# Altium PCB HIL_RIG_REV_1_2.PcbDoc (part 8 of 14)
Units mil, origin at the board's own origin, x right, y up, seen from the top; angles counter-clockwise.
Board outline 9845 x 7590 mil, 6 copper layers (Top Layer, Int1 (GND), Int2 (PWR), Int3 (Sign), Int4 (GND), Bottom Layer), stack 60.566 mil thick; 1465 components, 731 nets, 4058 pads, 3944 vias.
Unrouted connection lines stored in the file: 1754.
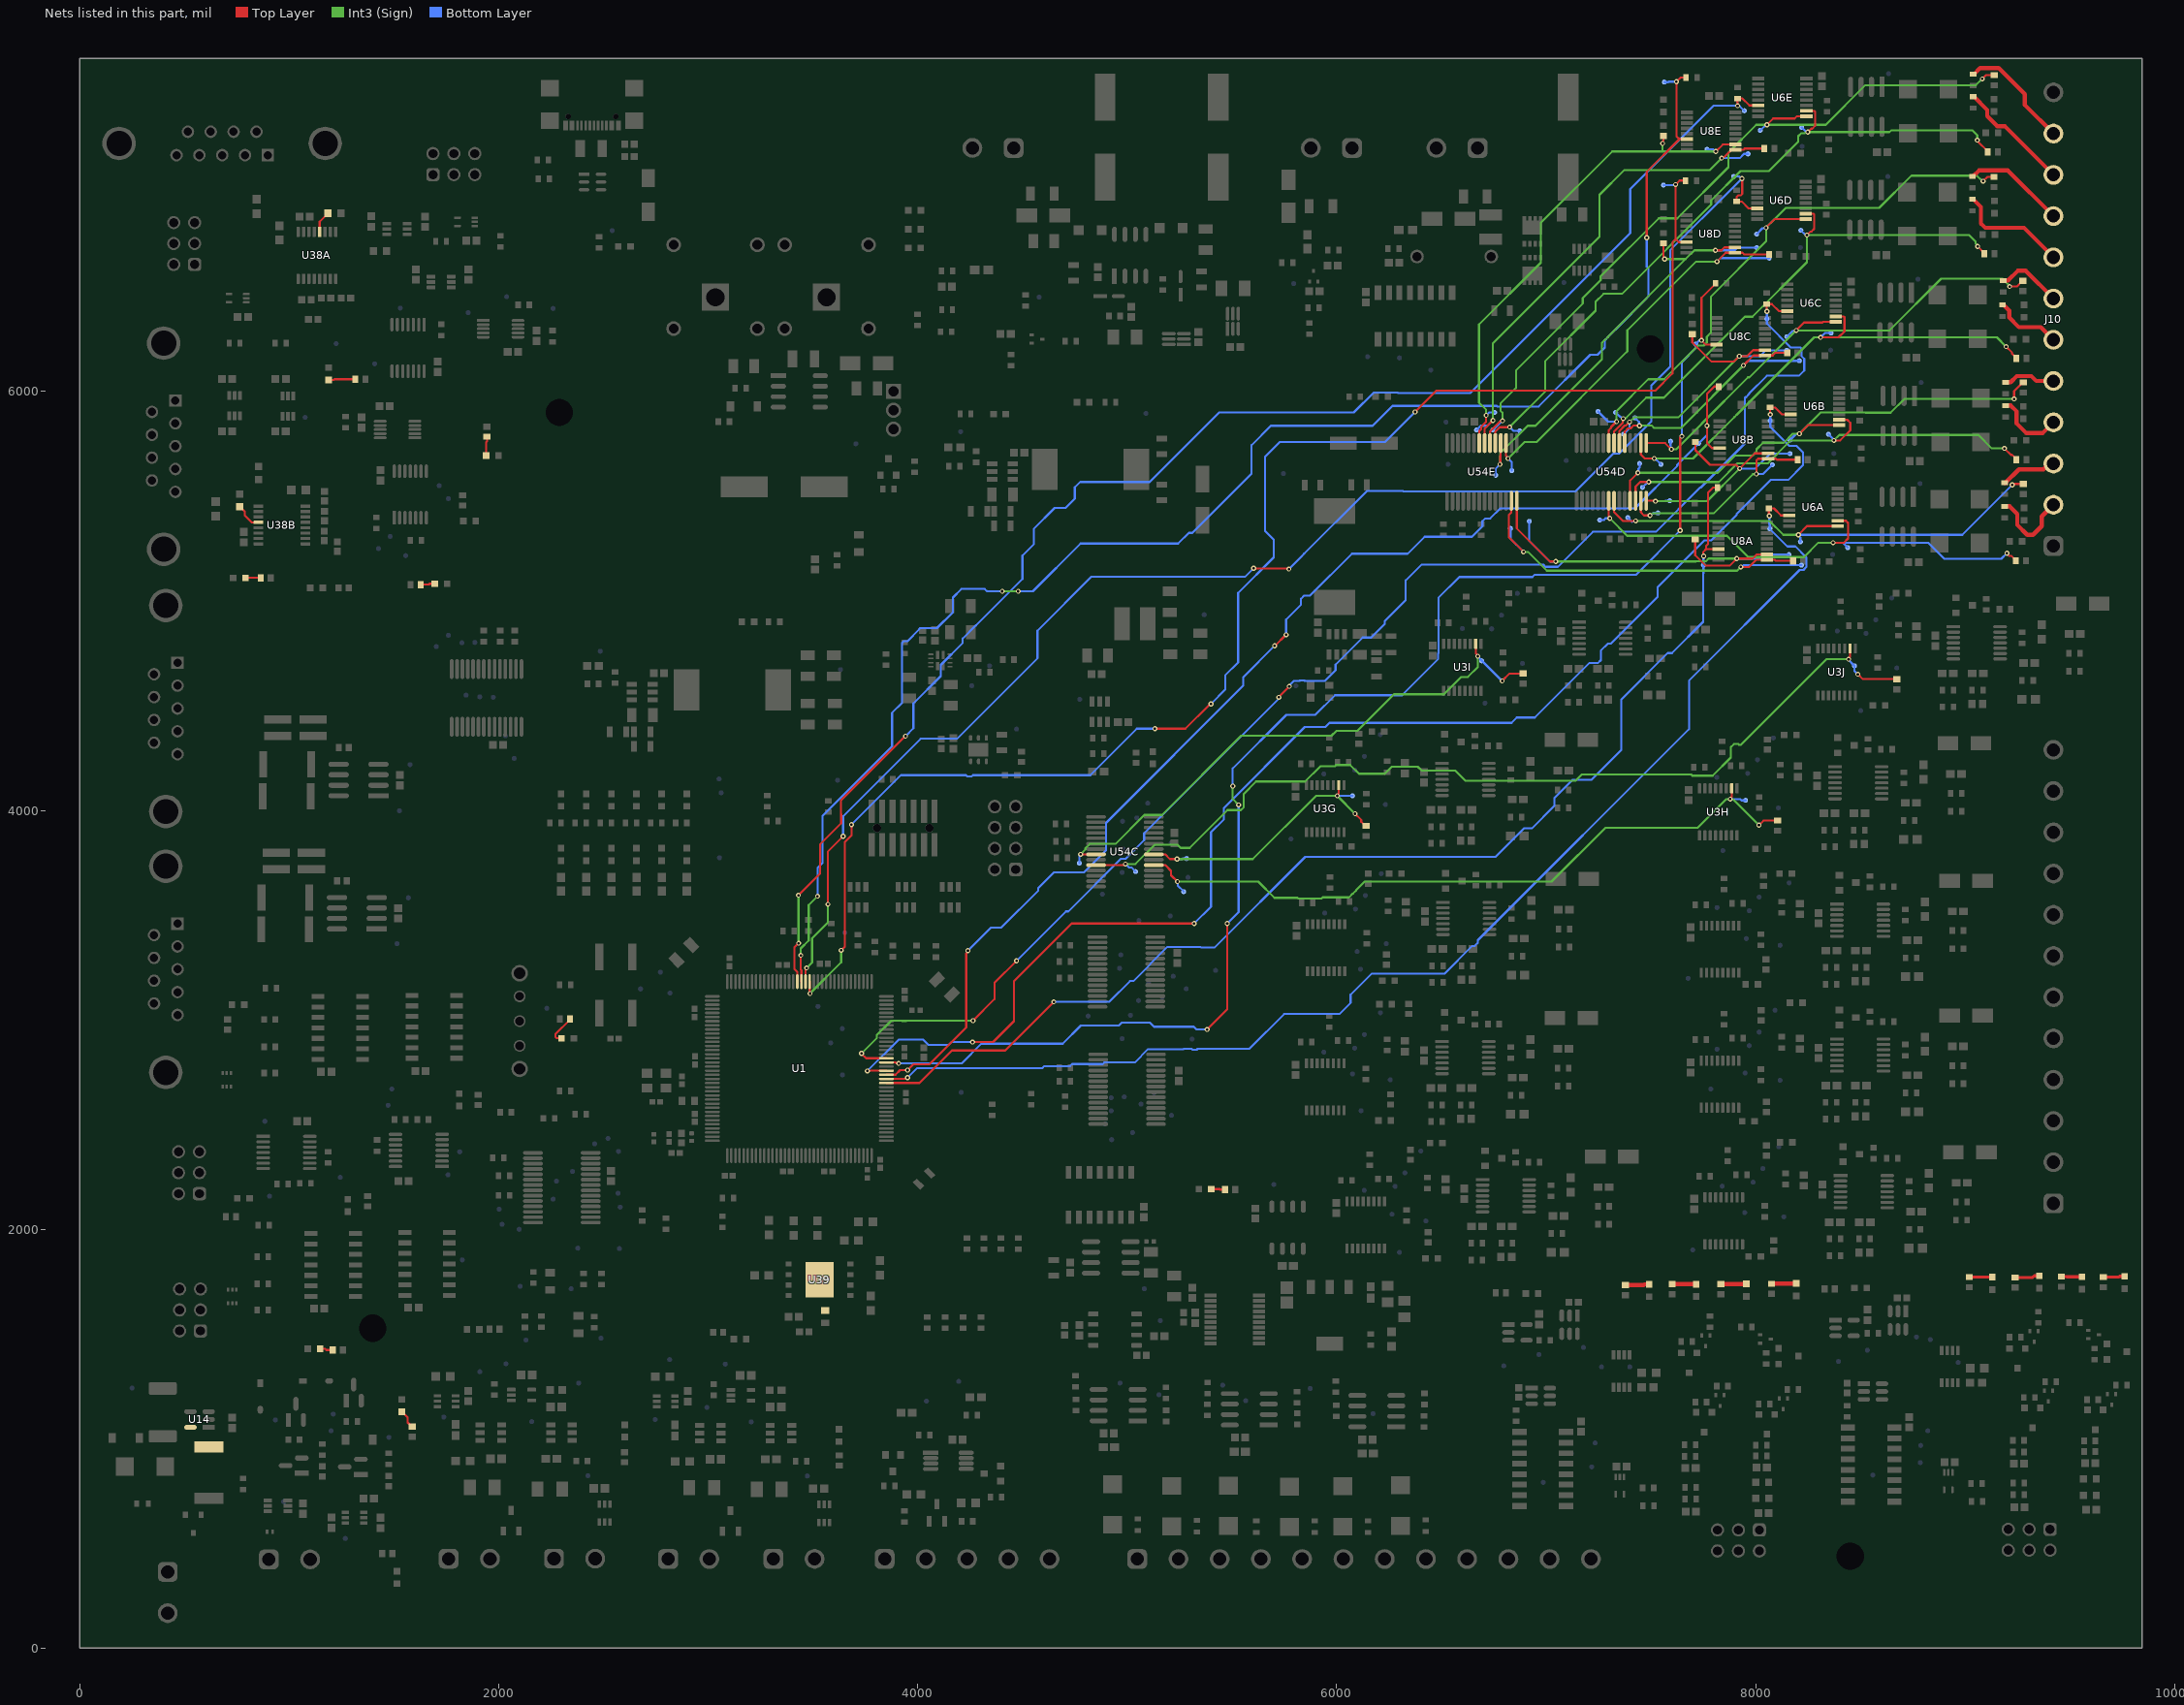
[diagram p12: the nets of this part, all layers, seen from the top]

## Via types
v1: diameter 24, hole 12, Top Layer to Bottom Layer, tented both sides, 3944 vias

## Nets (pads, with @x,y where several pads share a name; then routed paths per layer and width w, separated by ;. In a path a pad name is that pad's centre, name@x,y a point inside that pad or via, vN(x,y) a via of type N, cw(c..) or ccw(c..) an arc to the next point about the centre after c; other vN are vias at no path point) (continued)
DI_S1_7: R180N.1 TP6G.1 TP98C.1 U3G.10 U54C.7 | length 1386.3
  Top Layer w10: U54C.7@5127,3790.01 5182.24,3790.01 5204.26,3768 v1(5238,3768) ; v1(6002.89,4069.79) 6002.89,4073.58 6009.98,4080.67 U3G.10@6009.98,4121.02 ; v1(6088,3984) 6117.37,3954.63 6117.37,3946.13 6137.5,3926 R180N.1@6140,3926
  Int3 (Sign) w10: v1(5238,3768) 5600,3768 5901.79,4069.79 v1(6002.89,4069.79) 6002.89,4069.45 6088,3984.34 v1(6088,3984)
  Bottom Layer w10: v1(5238,3768) 5262.19,3768 5264.19,3770 TP98C.1@5284,3770 ; v1(6002.89,4069.79) 6003.1,4070 TP6G.1@6076,4070
DI_S1_8: R180P.1 TP6H.1 TP96C.1 U3H.10 U54C.5 | length 3504.7
  Top Layer w10: U54C.5@5127,3738.83 5182.24,3738.83 5209.78,3711.3 5209.78,3690.22 v1(5240,3660) ; v1(7878.89,4053.79) 7878.89,4057.58 7885.98,4064.67 U3H.10@7885.98,4105.02 ; v1(8016,3930) 8037.21,3951.21 R180P.1@8105.4,3951.21
  Int3 (Sign) w10: v1(5240,3660) 5626,3660 5703.25,3582.75 5813.37,3582.75 5817.32,3578.79 5927.44,3578.79 5933.64,3585 6059,3585 6077,3603 6078.36,3603 6093,3617.64 6093,3619 6134,3660 7026,3660 7283,3917 7723,3917 7859.79,4053.79 v1(7878.89,4053.79) 7881.57,4051.12 7894.88,4051.12 v1(8016,3930)
  Bottom Layer w10: v1(5240,3660) 5242,3658 5242,3640 TP96C.1@5270,3612 ; v1(7878.89,4053.79) 7926.39,4053.79 7932.19,4048 TP6H.1@7952,4048
DI_S1_9: R180R.1 TP6I.1 TP85C.1 U3I.10 U54C.22 | length 2782.7
  Top Layer w10: v1(4778,3790) U54C.22@4851.41,3790.01 ; U3I.10@6663.98,4795.02 6663.98,4749.81 6674,4739.79 v1(6674,4736) ; v1(6790,4618) 6825.25,4653.25 R180R.1@6889.56,4653.25
  Int3 (Sign) w10: v1(4778,3790) 4801.34,3813.34 4801.34,3819.34 4822,3840 4944,3840 5082,3978 5166,3978 5544.44,4356.44 5975.25,4356.44 5998.81,4380 6099.64,4380 6273.64,4554 6512,4554 6595,4637 6626.36,4637 6674,4684.64 v1(6674,4736)
  Bottom Layer w10: TP85C.1@4772,3748 4772,3780.21 4778,3786.21 v1(4778,3790) ; v1(6674,4736) 6674,4734 v1(6790,4618)
DI_S1_10: R180T.1 TP6J.1 TP87C.1 U3J.10 U54C.24 | length 4580.1
  Top Layer w10: U54C.24@4851.41,3738.83 4983.05,3738.83 4988.21,3744 v1(4992,3744) ; v1(8443.89,4721.79) 8443.89,4725.58 8450.98,4732.67 U3J.10@8450.98,4773.02 ; v1(8488,4650) 8511.52,4626.48 R180T.1@8674.39,4626.48
  Int3 (Sign) w10: v1(4992,3744) 5039.52,3744 5131.52,3836 5240.64,3836 5255.64,3821 5299,3821 5479,4001 5542.36,4001 5557,4015.64 5557,4079 5615.79,4137.79 5849.79,4137.79 5923,4211 5991.1,4211 5996.9,4216.79 6065,4216.79 6106.79,4175 6230.12,4175 6263.92,4208.79 6387.25,4208.79 6406.04,4190 6566.73,4190 6615.93,4140.79 7139.33,4140.79 7170.33,4171.79 7692.36,4171.79 7698.15,4166 7795.36,4166 7881.92,4252.56 7881.92,4301.82 7896.56,4316.46 7917.27,4316.46 7920.9,4312.83 7929.19,4312.83 8338.15,4721.79 v1(8443.89,4721.79)
  Bottom Layer w10: v1(4992,3744) 5008.19,3727.81 5020.19,3727.81 TP87C.1@5040,3708 ; v1(8443.89,4721.79) 8443.89,4718.11 TP6J.1@8472,4690 8472,4666 v1(8488,4650)
DO_A0_1: R180U.1 TP17A.1 TP85D.1 U6A.9 U54D.22 | length 2444.7
  Top Layer w10: U54D.22@7324.46,5478 7324.46,5423.54 7366,5382 v1(7428,5382) ; v1(8204.14,5315.88) 8204.14,5316.16 8245.07,5357.08 U6A.9@8392.88,5357.08 ; v1(9225.1,5553.52) 9228.88,5553.52 9234.19,5558.82 R180U.1@9277.76,5558.82
  Int3 (Sign) w10: v1(7428,5382) 7429,5381 8067,5381 8132.12,5315.88 v1(8204.14,5315.88)
  Bottom Layer w10: TP85D.1@7390,5398 7409.81,5378.19 7410.94,5379.32 7425.32,5379.32 v1(7428,5382) ; TP17A.1@8214,5282 8214,5302.24 8204.14,5312.09 v1(8204.14,5315.88) 8986.5,5315.88 9224.13,5553.52 v1(9225.1,5553.52)
DO_A0_2: R180Y.1 TP17B.1 TP88D.1 U6B.9 U54D.25 | length 2508.2
  Top Layer w10: U54D.25@7401.23,5478 7401.23,5575.23 v1(7438,5612) ; v1(8209.33,5798.07) 8209.33,5798.35 8250.26,5839.27 U6B.9@8398.07,5839.27 ; v1(9234,5964) 9234,6001.54 9275.49,6043.03 R180Y.1@9277.99,6043.03
  Int3 (Sign) w10: v1(7438,5612) 7820,5612 7902,5694 7985.53,5694 8004.17,5712.64 8004.17,5724.17 8035.07,5755.07 8134.44,5755.07 8177.44,5798.07 v1(8209.33,5798.07) 8311.26,5900 8523.73,5900 8524.98,5898.75 8644.75,5898.75 8710,5964 v1(9234,5964)
  Bottom Layer w10: v1(7438,5612) 7440.68,5614.68 7440.68,5630.87 7446,5636.19 TP88D.1@7446,5656 ; TP17B.1@8164.33,5768.07 8191.65,5795.39 8206.65,5795.39 v1(8209.33,5798.07)
DO_A0_3: R180AC.1 TP17C.1 TP92D.1 U6C.9 U54D.1 | length 2479.3
  Top Layer w10: U54D.1@7478,5753.59 7568.41,5753.59 v1(7598,5724) ; v1(8194.16,6291.43) 8194.16,6291.7 8231.45,6329 8318.36,6329 8321.98,6332.63 U6C.9@8382.9,6332.63 ; v1(9212.76,6500.83) 9246.48,6500.83 9273.78,6528.14 R180AC.1@9276.29,6528.14
  Int3 (Sign) w10: v1(7598,5724) 7621.36,5724 7743,5845.64 7743,5846.36 7964.2,6067.55 7970.28,6067.55 v1(8194.16,6291.43) 8639.51,6291.43 8886.08,6538 9178,6538 9212.76,6503.24 v1(9212.76,6500.83)
  Bottom Layer w10: TP92D.1@7594,5762 7594,5742.19 7595.32,5740.87 7595.32,5726.68 v1(7598,5724) ; TP17C.1@8149.16,6261.43 8176.48,6288.75 8191.48,6288.75 v1(8194.16,6291.43)
DO_A0_4: R180AG.1 TP17D.1 TP99D.1 U6D.9 U54D.8 | length 2980.9
  Top Layer w10: U54D.8@7298.87,5753.59 7298.87,5814.46 7306.14,5821.74 7306.14,5822.14 7310,5826 7310,5830 v1(7336,5856) ; v1(8050.16,6781.43) 8050.16,6781.7 8091.08,6822.63 U6D.9@8238.9,6822.63 ; v1(9086,7004) 9106.46,7024.46 R180AG.1@9138,7024.46
  Int3 (Sign) w10: v1(7336,5856) 7336,5906 7488,6058 7564,6058 7725,6219 7752.36,6219 7767,6233.64 7767,6261 7786.1,6280.1 7786.1,6452.1 8050.16,6716.16 v1(8050.16,6781.43) 8144.73,6876 8590.08,6876 8744.08,7030 9056.63,7030 9082.63,7004 v1(9086,7004)
  Bottom Layer w10: TP99D.1@7248,5904 7296,5856 v1(7336,5856) ; TP17D.1@8005.16,6751.43 8032.48,6778.75 8047.48,6778.75 v1(8050.16,6781.43)
DO_A0_5: R180AK.1 TP17E.1 TP97E.1 U6E.9 U54E.6 | length 3659.8
  Top Layer w10: U54E.6@6732.05,5753.59 6732.05,5808.84 6780.53,5857.32 6789.32,5857.32 v1(6792,5860) ; v1(8054.05,7272.88) 8054.05,7273.16 8083.89,7303 8186.36,7303 8197.44,7314.08 U6E.9@8242.79,7314.08 ; v1(9082,7492) 9100,7510 R180AK.1@9140,7510
  Int3 (Sign) w10: v1(6792,5860) 6792,5897.89 6782,5907.89 6782,5942 6856,6016 6856,6100.64 7175,6419.64 7175,6446.04 7260.53,6531.58 7260.53,6549.89 7537.41,6826.77 7626.12,6826.77 7870,7070.64 7870,7140 8002.88,7272.88 v1(8054.05,7272.88) 8335.42,7272.88 8524.54,7462 9052,7462 v1(9082,7492)
  Bottom Layer w10: TP97E.1@6746,5816 6790,5860 v1(6792,5860) ; TP17E.1@8022,7246 8041.81,7265.81 8043.19,7265.81 8050.26,7272.88 v1(8054.05,7272.88)
DO_A0_6: R180W.1 TP20A.1 TP90E.1 U8A.9 U54E.27 | length 2056.1
  Top Layer w10: U54E.27@6834.41,5478 6834.41,5422.76 6822,5410.35 6822,5304 v1(6892,5234) ; v1(7930,5162) 7968.91,5162 8003.16,5196.24 U8A.9@8054.65,5196.24 8091.69,5196.24 8096.56,5191.37 R180W.1@8178.52,5191.37
  Int3 (Sign) w10: v1(6892,5234) 6914,5234 7004,5144 7912,5144 v1(7930,5162)
  Bottom Layer w10: TP90E.1@6830,5346 6830,5296 v1(6892,5234) ; v1(7930,5162) 7933.79,5162 7942.67,5170.88 TP20A.1@8219.14,5170.88
DO_A0_7: R180AA.1 TP20B.1 TP90D.1 U8B.9 U54D.27 | length 1098.1
  Top Layer w10: U54D.27@7452.41,5478 7452.41,5422.76 7467.17,5408 v1(7496,5408) ; v1(8004,5606) 8004,5670.42 8012.01,5678.43 U8B.9@8059.84,5678.43 8096.88,5678.43 8100.91,5674.4 R180AA.1@8200.52,5674.4
  Int3 (Sign) w10: v1(7496,5408) 7497.64,5408 7508.86,5419.22 7801.35,5419.22 7986.98,5604.84 8002.84,5604.84 v1(8004,5606)
  Bottom Layer w10: v1(7496,5408) 7499.79,5408 7511.79,5420 TP90D.1@7534,5420 ; v1(8004,5606) 8036,5606 TP20B.1@8080,5650
DO_A0_8: R180AE.1 TP20C.1 TP96D.1 U8C.9 U54D.5 | length 1321.7
  Top Layer w10: U54D.5@7375.64,5753.59 7375.64,5809.01 7390.09,5823.46 7402.81,5823.46 7417.26,5837.91 7444.09,5837.91 v1(7446,5836) ; v1(7942,6124) 7989.79,6171.79 U8C.9@8044.67,6171.79 8081.7,6171.79 8093.91,6184 R180AE.1@8151.54,6184
  Int3 (Sign) w10: v1(7446,5836) 7448,5838 7503.45,5838 7515.45,5826 7644,5826 v1(7942,6124)
  Bottom Layer w10: TP96D.1@7424,5874 7443.32,5854.68 7443.32,5838.68 v1(7446,5836) ; v1(7942,6124) 7964.43,6146.43 TP20C.1@8209.16,6146.43
DO_A0_9: R180AI.1 TP20D.1 TP94E.1 U8D.9 U54E.3 | length 2113.3
  Top Layer w10: U54E.3@6808.82,5753.59 6808.82,5692.97 6818,5683.79 v1(6818,5680) ; v1(7816,6620) 7857.79,6661.79 U8D.9@7900.67,6661.79 7937.7,6661.79 7945.5,6654 R180AI.1@8064,6654
  Int3 (Sign) w10: v1(6818,5680) 6896,5758 6954,5758 7383.13,6187.13 7388,6192 7388,6292 7716,6620 v1(7816,6620)
  Bottom Layer w10: v1(6818,5680) 6836,5662 TP94E.1@6836,5622 ; v1(7816,6620) 7832.43,6636.43 TP20D.1@8065.16,6636.43
DO_A0_10: R180AM.1 TP20E.1 TP98E.1 U8E.9 U54E.7 | length 2521.9
  Top Layer w10: U54E.7@6706.46,5753.59 6706.46,5822.46 6712.95,5828.95 v1(6746,5862) ; v1(7838,7114) 7840.68,7116.68 7847.82,7116.68 7884.38,7153.24 U8E.9@7904.56,7153.24 7941.59,7153.24 7947.99,7159.64 R180AM.1@8041.58,7159.64
  Int3 (Sign) w10: v1(6746,5862) 6746,6230 7255,6739 7255,6939 7372,7056 7780,7056 v1(7838,7114)
  Bottom Layer w10: TP98E.1@6668,5816 6687.81,5835.81 6719.81,5835.81 v1(6746,5862) ; v1(7838,7114) 7924.19,7114 7944.19,7134 TP20E.1@7964,7134
DO_A1_1: R180V.1 TP16A.1 TP84D.1 U6A.10 U54D.21 | length 2484.2
  Top Layer w10: U54D.21@7298.87,5478 7298.87,5402.92 7304,5397.79 v1(7304,5394) ; v1(8370,5278) 8422,5278 8442,5298 8442,5372 8431.33,5382.67 U6A.10@8392.88,5382.67 ; v1@9198,5228 9211.57,5214.43 9222.1,5214.43 9242.23,5194.3 R180V.1@9242.23,5191.8
  Int3 (Sign) w10: v1(7304,5394) 7387,5311 7862.98,5311 7964.98,5209 8231,5209 8300,5278 v1(8370,5278)
  Bottom Layer w10: TP84D.1@7256,5386 7275.81,5386 7283.81,5394 v1(7304,5394) ; v1(8370,5278) 8416,5278 ; TP16A.1@8440,5254 8416,5278 ; v1(9200,5228) 9172.96,5200.96 8900.42,5200.96 8823.38,5278 8416,5278
DO_A1_2: R180Z.1 TP16B.1 TP89D.1 U6B.10 U54D.26 | length 2312.9
  Top Layer w10: U54D.26@7426.82,5478 7426.82,5545.39 7449.43,5568 v1(7490,5568) ; v1(8374,5766) 8404,5766 8452,5814 8452,5850 8437.14,5864.86 U6B.10@8398.07,5864.86 ; v1(9188,5728) 9218.79,5697.21 9224.46,5697.21 9244.59,5677.08 R180Z.1@9244.59,5674.58
  Int3 (Sign) w10: v1(7490,5568) 7824.64,5568 7913.64,5657 8059,5657 8168,5766 v1(8374,5766) 8400,5792 9064,5792 9128,5728 v1(9188,5728)
  Bottom Layer w10: TP89D.1@7460,5542 7479.81,5561.81 7480.02,5561.81 7486.21,5568 v1(7490,5568) ; TP16B.1@8348,5796 8367.81,5776.19 8367.81,5775.98 8374,5769.79 v1(8374,5766)
DO_A1_3: R180AD.1 TP16C.1 TP93D.1 U6C.10 U54D.2 | length 2480.1
  Top Layer w10: U54D.2@7452.41,5753.59 7452.41,5698.35 7470.76,5680 v1(7516,5680) ; v1(8310,6258) 8395.73,6258 8424,6286.27 8424,6354.15 8419.93,6358.22 U6C.10@8382.9,6358.22 ; v1(9196,6214) 9224.46,6185.54 9224.46,6179.75 9244.59,6159.62 R180AD.1@9244.59,6157.12
  Int3 (Sign) w10: v1(7516,5680) 7701.36,5680 7899.43,5878.07 7899.69,5878.07 7914.33,5892.72 7914.33,5892.98 8279.36,6258 v1(8310,6258) 9152,6258 v1(9196,6214)
  Bottom Layer w10: v1(7516,5680) 7519.79,5680 7527.98,5671.81 7528.19,5671.81 TP93D.1@7548,5652 ; v1(8310,6258) 8331.11,6279.11 TP16C.1@8360.16,6279.11
DO_A1_4: R180AH.1 TP16D.1 TP98D.1 U6D.10 U54D.7 | length 2587.9
  Top Layer w10: U54D.7@7324.46,5753.59 7324.46,5808.99 7365.47,5850 7365.47,5867.47 v1(7368,5870) ; U6D.10@8238.9,6848.22 8275.93,6848.22 8280,6844.15 8280,6776.27 8266.98,6763.25 8261.98,6763.25 v1(8245.16,6746.43) ; v1(9060,6692) 9060,6691.5 9091.56,6659.94 R180AH.1@9091.56,6657.44
  Int3 (Sign) w10: v1(7368,5870) 7370.68,5872.68 7380.68,5872.68 7478,5970 7562.29,5970 7948.64,6356.36 7984.36,6356.36 8245.16,6617.16 v1(8245.16,6746.43) 9018.93,6746.43 9050.28,6715.08 9050.28,6705.51 9060,6695.79 v1(9060,6692)
  Bottom Layer w10: TP98D.1@7332,5900 7351.81,5880.19 7354.02,5880.19 7364.21,5870 v1(7368,5870) ; TP16D.1@8216.16,6769.11 8236.16,6749.11 8242.48,6749.11 v1(8245.16,6746.43)
DO_A1_5: R180AL.1 TP16E.1 TP96E.1 U6E.10 U54E.5 | length 3446.2
  Top Layer w10: U54E.5@6757.64,5753.59 6757.64,5808.84 6777.8,5829 6825,5829 v1(6826,5830) ; U6E.10@8242.79,7339.67 8279.82,7339.67 8283.89,7335.61 8283.89,7267.72 8270.87,7254.7 8265.87,7254.7 v1(8249.05,7237.88) ; v1@9062,7196 9062,7191.93 9108.45,7145.48 R180AL.1@9108.45,7142.98
  Int3 (Sign) w10: v1(6826,5830) 6826,5830.64 6996,6000.64 6996,6145.64 7236,6385.64 7236,6428 7274,6466 7362,6466 7788,6892 7788,6912 7928,7052 8063.16,7052 8203,7191.84 8203,7218.36 8217.64,7233 8236.19,7233 8238.39,7235.2 8246.37,7235.2 v1(8249.05,7237.88) 8639.04,7237.88 8648.15,7247 9034.36,7247 9058.4,7222.96 v1(9058.4,7199.74)
  Bottom Layer w10: v1(6826,5830) 6844,5812 TP96E.1@6874,5812 ; TP16E.1@8220.05,7260.56 8240.05,7240.56 8246.37,7240.56 v1(8249.05,7237.88)
DO_A1_6: R180X.1 TP19A.1 TP91E.1 U8A.10 U54E.28 | length 2231.6
  Top Layer w10: U54E.28@6860,5478 6860,5346 7018,5188 v1(7046,5188) ; R180X.1@7712,5293.54 7712,5218.64 7762.64,5168 7876,5168 v1(7910,5202) 7986.29,5202 8006.12,5221.83 U8A.10@8054.65,5221.83
  Int3 (Sign) w10: v1(7046,5188) 7714.14,5188 7715.14,5189 7762.36,5189 7775.36,5202 v1(7910,5202)
  Bottom Layer w10: TP91E.1@6920,5380 6920,5286 7018,5188 v1(7046,5188) ; v1(7910,5202) 8049.18,5202 8068.06,5220.88 TP19A.1@8159.14,5220.88
DO_A1_7: R180AB.1 TP19B.1 TP91D.1 U8B.10 U54D.28 | length 1302.5
  Top Layer w10: U54D.28@7478,5478 7520,5478 v1(7522,5476) ; R180AB.1@7712.47,5758.52 7712.47,5719.53 7782.15,5649.85 7906.15,5649.85 v1(7924,5632) 7996.02,5704.02 U8B.10@8059.84,5704.02
  Int3 (Sign) w10: v1(7522,5476) 7768,5476 v1(7924,5632)
  Bottom Layer w10: v1(7522,5476) 7568.19,5476 7570.19,5478 TP91D.1@7590,5478 ; v1(7924,5632) 7998.68,5632 8069.75,5703.07 TP19B.1@8164.33,5703.07
DO_A1_8: R180AF.1 TP19C.1 TP97D.1 U8C.10 U54D.6 | length 1534.2
  Top Layer w10: U54D.6@7350.05,5753.59 7350.05,5811.95 7375.28,5837.18 7381.18,5837.18 v1(7398,5854) ; R180AF.1@7698,6274 7698,6233.67 7789.67,6142 7896,6142 v1(7922,6168) 7958.52,6168 7987.9,6197.38 U8C.10@8044.67,6197.38
  Int3 (Sign) w10: v1(7398,5854) 7420,5876 7630,5876 v1(7922,6168)
  Bottom Layer w10: TP97D.1@7370,5796 7398,5824 v1(7398,5854) ; v1(7922,6168) 8021.42,6168 8049.84,6196.43 TP19C.1@8149.16,6196.43
DO_A1_9: R180AJ.1 TP19D.1 TP95E.1 U8D.10 U54E.4 | length 2170.7
  Top Layer w10: v1(6780,5652) 6781.75,5653.75 6781.75,5692.52 6783.23,5694 U54E.4@6783.23,5753.59 ; R180AJ.1@7559.99,6707.42 7559.99,6641.8 7566,6635.79 v1(7566,6632) ; v1(7808,6674) 7837.52,6674 7850.9,6687.38 U8D.10@7900.67,6687.38
  Int3 (Sign) w10: v1(6780,5652) 6780,5704 6912,5836 6949.36,5836 7266,6152.64 7266,6232 7279,6245 7280.36,6245 7295,6259.64 7295,6261 7666,6632 ; v1(7566,6632) 7666,6632 ; v1(7808,6674) 7708,6674 7666,6632
  Bottom Layer w10: TP95E.1@6760,5600 6760,5632 v1(6780,5652) ; v1(7808,6674) 7900.42,6674 7912.84,6686.43 TP19D.1@8005.16,6686.43
DO_A1_10: R180AN.1 TP19E.1 TP99E.1 U8E.10 U54E.8 | length 2454.5
  Top Layer w10: U54E.8@6680.87,5753.59 6680.87,5811.3 6690,5820.44 6690,5832 6714,5856 v1(6714,5886) ; v1(7556,7184) 7556,7193.53 7560,7197.53 R180AN.1@7560,7220 ; v1(7810,7146) 7842.83,7178.83 U8E.10@7904.56,7178.83
  Int3 (Sign) w10: v1(6714,5886) 6714,5912 6680,5946 6680,6320 6975,6615 6975,6805.36 7315.64,7146 7554,7146 ; v1(7556,7184) 7556,7148 7554,7146 ; v1(7810,7146) 7554,7146
  Bottom Layer w10: v1(6714,5886) 6714.28,5886 6728.28,5900 TP99E.1@6754,5900 ; TP19E.1@7768,7156 7796.21,7156 7806.21,7146 v1(7810,7146)
DO_A_DUT1: F3A.2 J10.3 | length 271.4
  Top Layer w20: F3A.2@9188.87,5563.65 9192.8,5563.65 9257.15,5628 9373.8,5628 9401.84,5656.05 J10.3@9422,5656.05
DO_A_DUT2: F3B.2 J10.5 | length 250
  Top Layer w20: F3B.2@9194.06,6044.09 9217.8,6044.09 9247.21,6073.5 9316.24,6073.5 9339.99,6049.75 J10.5@9422,6049.75
DO_A_DUT3: F3C.2 J10.7 | length 314
  Top Layer w20: F3C.2@9182,6530 9205.75,6530 9251.75,6576 9289.45,6576 J10.7@9422,6443.45
DO_A_DUT4: F3D.2 J10.9 | length 488.7
  Top Layer w20: F3D.2@9034.88,7027.37 9038.82,7027.37 9066.37,7054.93 9204.22,7054.93 J10.9@9422,6837.15
DO_A_DUT5: F3E.2 J10.11 | length 555.1
  Top Layer w20: F3E.2@9038.77,7515.39 9042.71,7515.39 9071.71,7544.39 9159.67,7544.39 9285.67,7418.4 9285.67,7367.18 J10.11@9422,7230.85
DO_A_MCU_EN_N1: R32A.1 TP18A.1 U1.88 U6A.6 | length 6061.2
  Top Layer w10: U1.88@3850.71,2718.09 3946.31,2718.09 v1(3952.21,2724) ; v1(8066,5406) 8063.32,5408.68 8063.32,5420.46 R32A.1@8063.32,5441.44 8087.3,5441.44 8120.48,5408.26 U6A.6@8161.54,5408.26
  Bottom Layer w10: v1(3952.21,2724) 3998.21,2770 4596.04,2770 4605.04,2779 4727.73,2779 4737.73,2789 4883.36,2789 4890.98,2796.62 5036.62,2796.62 5100,2860 5268.73,2860 5270.35,2861.62 5307.02,2861.62 5311.64,2857 5332.36,2857 5336.98,2861.62 5583.62,2861.62 5750,3028 6014,3028 6067,3081 6067,3120.19 6166.81,3220 6514,3220 6647,3353 6659.36,3353 6674,3367.64 6674,3380 7682,4388 7682,4619.55 8210.53,5148.07 8228.59,5148.07 8241.95,5161.43 8241.95,5208.05 8190,5260 8152,5260 TP18A.1@8068,5344 8068,5363.81 8066,5365.81 v1(8066,5406)
DO_A_MCU_EN_N2: R32B.1 TP18B.1 U1.90 U6B.6 | length 6660.3
  Top Layer w10: v1(3760,2756) 3761.46,2757.46 U1.90@3850.71,2757.46 ; v1(4262,2894) 4360,2894 4460,2994 4460,3185.15 4734.85,3460 v1(5320,3460) ; v1(8070,5890) 8068.5,5891.5 R32B.1@8068.5,5923.63 8092.49,5923.63 8125.67,5890.45 U6B.6@8166.73,5890.45
  Bottom Layer w10: v1(3760,2756) 3910,2906 4026,2906 4052,2880 4148.11,2880 4162.11,2894 v1(4262,2894) ; v1(5320,3460) 5400,3540 5400,3896 5462,3958 5462,4012 5848,4398 5946.1,4398 5965.9,4417.79 6834.44,4417.79 6859.64,4443 6945.49,4443 7205.49,4703 7247.36,4703 7262,4717.64 7262,4739.5 7261,4740.5 7261,4762.36 7294.54,4795.9 7308.35,4795.9 7532,5019.54 7532,5065.35 7755.64,5289 7787.62,5289 7909.14,5410.53 7909.14,5415.14 8071.67,5577.67 8156.33,5577.67 8226,5647.34 8226,5710 8196,5740 8160.14,5740 8070,5830.14 v1(8070,5890)
DO_A_MCU_EN_N3: R32C.1 TP18C.1 U1.93 U6C.6 | length 6816.4
  Top Layer w10: v1(3732,2840) 3732,2838.29 3753.77,2816.52 U1.93@3850.71,2816.52 ; v1(4264,2996) 4366.66,3098.66 4366.66,3176.66 v1(4472,3282) ; v1(5724,4540) 5724,4541.24 5773.78,4591.02 v1(5773.78,4592.27) ; v1(8054,6382) 8053.33,6382.67 R32C.1@8053.33,6416.98 8077.32,6416.98 8110.49,6383.81 U6C.6@8151.56,6383.81
  Int3 (Sign) w10: v1(3732,2840) 3804.34,2912.34 3804.34,2926.34 3874,2996 3924.64,2996 3925.64,2995 3946.36,2995 3947.36,2996 v1(4264,2996)
  Bottom Layer w10: v1(4472,3282) 4708.16,3518.16 4719.52,3518.16 4970.36,3769 4992.36,3769 5081,3857.64 5081,3890.64 5721.32,4530.97 5721.32,4537.32 v1(5724,4540) v1@5724,4533.64 ; v1(5773.78,4592.27) 5773.78,4595.57 5796.02,4617.81 5822.93,4617.81 5825.12,4620 5845.83,4620 5848.02,4617.81 5943.81,4617.81 5995,4669 5995,4695.36 6124.64,4825 6165.36,4825 6230,4889.64 6230,4904 6330,5004 6330,5098 6406,5174 6986.36,5174 6997.36,5163 7056.36,5163 7223.36,5330 7524.64,5330 7735.55,5540.91 7738.26,5540.91 7949.17,5751.82 7949.17,5970.17 7952,5973 7954.36,5973 7969,5987.64 7969,5990 8054,6075 8207,6075 8231.97,6099.97 8231.97,6155.88 8219,6168.85 8219,6205 8214,6210 8167.85,6210 8054,6323.85 TP18C.1@8054,6346 v1(8054,6382)
DO_A_MCU_EN_N4: R32D.1 TP18D.1 U1.125 U6D.6 | length 7209.5
  Top Layer w10: U1.125@3464.88,3182.66 3464.88,3239.09 3470,3244.21 v1(3470,3248) ; v1(3572,3552) 3572,3804 v1(3644,3876) ; v1(5604,5156) 5606,5154 5770,5154 v1(5772,5152) ; v1(7935.16,7016.43) 7936.32,7015.27 7936.32,6942.74 7929.87,6936.3 7917.68,6936.3 7909.33,6927.95 R32D.1@7909.33,6906.98 7933.32,6906.98 7966.49,6873.81 U6D.6@8007.56,6873.81
  Int3 (Sign) w10: v1(3470,3248) 3496,3274 3496,3389.56 3572,3465.56 v1(3572,3552)
  Bottom Layer w10: v1(3644,3876) 3644,3972 4014,4342 4188,4342 4572,4726 4572,4858 4830,5116 5564,5116 v1(5604,5156) ; v1(5772,5152) 5830,5210 5830,5210.36 5844.64,5225 5845,5225 6145,5525 6315.36,5525 6318.36,5522 7139.35,5522 7320.48,5703.12 7348.48,5703.12 7502.53,5857.17 7502.53,6028 7592,6117.47 7592,6674.01 7889.09,6971.11 7889.84,6971.11 v1(7935.16,7016.43) 7931.37,7016.43 7921.37,7026.43 TP18D.1@7895.16,7026.43
DO_A_MCU_EN_N5: R32E.1 TP18E.1 U1.127 U6E.6 | length 7186.5
  Top Layer w10: U1.127@3425.51,3182.66 3425.51,3228.49 3412,3242 3412,3346 v1(3432,3366) ; v1(3430.47,3594.64) 3535,3699.17 3535,3839 3635,3939 3635,3982.36 3634,3983.36 3634,4048 3940,4354 v1(3942,4354) ; v1(7914,7364) 7914,7376.69 7913.22,7377.47 R32E.1@7913.22,7398.44 7937.21,7398.44 7970.38,7365.26 U6E.6@8011.45,7365.26
  Int3 (Sign) w10: v1(3430.47,3594.64) 3431.24,3593.88 3431.24,3366.76 v1(3432,3366)
  Bottom Layer w10: v1(3942,4354) 3980,4392 3980,4510.36 4110.35,4640.71 4110.35,4694.35 4215,4799 4215,4821 4277,4883 4278.36,4883 4500,5104.64 4500,5216 4554,5270 4554,5344 4654,5444 4706,5444 4750,5488 4750,5542 4776,5568 5108,5568 5440,5900 6082,5900 6177,5995 6290.36,5995 6293.36,5992 6638,5992 7402,6756 7402,6966 7800,7364 v1(7914,7364) 7916.68,7361.32 7924.68,7361.32 TP18E.1@7946,7340
DO_B_DUT1: F5A.2 J10.2 | length 405.9
  Top Layer w20: F5A.2@9188.87,5451.7 9212.61,5451.7 9249.19,5415.13 9249.19,5362.97 9296.16,5316 9324.43,5316 9366.09,5357.66 9366.09,5403.28 J10.2@9422,5459.2
DO_B_DUT2: F5B.2 J10.4 | length 336.6
  Top Layer w20: F5B.2@9194.06,5932.67 9217.8,5932.67 9246.28,5904.2 9246.28,5847.17 9291.45,5802 9371.1,5802 J10.4@9422,5852.9
DO_B_DUT3: F5C.2 J10.6 | length 330.9
  Top Layer w20: F5C.2@9178.88,6413.1 9182.82,6413.1 9210.63,6385.29 9210.63,6353.09 9256.75,6306.97 9361.63,6306.97 J10.6@9422,6246.6
DO_B_DUT4: F5D.2 J10.8 | length 548.1
  Top Layer w20: F5D.2@9034.88,6917.56 9038.82,6917.56 9076,6880.38 9076,6801.57 9096.54,6781.04 9281.26,6781.04 J10.8@9422,6640.3
DO_B_DUT5: F5E.2 J10.10 | length 555.2
  Top Layer w20: F5E.2@9038.77,7407.1 9042.71,7407.1 9105.93,7343.88 9105.93,7314.15 9153.5,7266.58 9189.42,7266.58 J10.10@9422,7034
DO_B_MCU_EN_N1: R35A.1 TP110A.1 U1.87 U8A.6 | length 5721.3
  Top Layer w10: U1.87@3850.71,2698.41 4008.41,2698.41 4164,2854 4418,2854 v1(4650,3086) ; v1(7752,5214) 7750.29,5215.71 7750.29,5234 7763.71,5247.43 ; R35A.1@7818.66,5541.01 7797.69,5541.01 7772.42,5515.73 7772.42,5270.47 7763.71,5261.76 7763.71,5247.43 ; U8A.6@7823.32,5247.43 7763.71,5247.43
  Bottom Layer w10: v1(4650,3086) 4914,3086 5013.19,3185.19 5029.45,3185.19 5192.65,3348.39 5194.25,3348.39 5195.64,3347 5216.36,3347 5217.75,3348.39 5349.98,3348.39 5353.37,3345 5417,3345 5850,3778 6758,3778 6894,3914 6932,3914 7039.62,4021.62 7039.62,4059.62 7126,4146 7216,4146 7359.49,4289.49 7359.49,4530.29 7580.2,4751 7601,4751 7750,4900 7750,5132 7751,5133 TP110A.1@7751,5171 7751,5213 v1(7752,5214)
DO_B_MCU_EN_N2: R35B.1 TP110B.1 U1.89 U8B.6 | length 5996.4
  Top Layer w10: U1.89@3850.71,2737.78 3894.14,2737.78 3916.36,2760 v1(3952,2760) 3980,2788 4056,2788 4232,2964 4232,3318.21 4240,3326.21 v1(4240,3330) ; v1(5704,4786) 5705.5,4786 5757.5,4838 v1(5759,4838) ; R35B.1@7823.85,6023.2 7802.88,6023.2 7768,5988.31 7768,5753.08 7791.47,5729.61 U8B.6@7828.5,5729.61
  Bottom Layer w10: v1(4240,3330) 4350,3440 4398,3440 4576,3618 4576,3630 4650,3704 4794,3704 4899,3809 4899,3940.36 5554,4595.36 5554,4636 v1(5704,4786) ; v1(5759,4838) 5759,4911 5830,4982 5830,5010.36 5844.64,5025 5873,5025 6073,5225 6339,5225 6420,5306 6646,5306 6695.85,5355.85 6695.85,5380.24 6709.21,5393.61 6733.61,5393.61 6782,5442 7423.36,5442 7625.87,5644.52 7625.87,5649.87 TP110B.1@7728,5752 7768,5792 v1(7768,5836)
DO_B_MCU_EN_N3: R35C.1 TP110C.1 U1.92 U8C.6 | length 7061.9
  Top Layer w10: U1.92@3850.71,2796.83 3894.14,2796.83 3899.17,2791.8 v1(3909.36,2791.8) ; v1(5382,2954) 5478,3050 v1(5478,3460) ; v1(7640,5336) 7640,5778 v1(7648,5786) ; R35C.1@7808.67,6516.55 7808.67,6513.53 7742,6446.86 v1(7742,6244) 7763.03,6222.97 U8C.6@7813.33,6222.97
  Int3 (Sign) w10: v1(5504,4116) 5504,4054 v1(5532,4026)
  Bottom Layer w10: v1(3909.36,2791.8) 4209.54,2791.8 4303.98,2886.24 4692.24,2886.24 4779,2973 4961,2973 4975,2987 5108.74,2987 5128.55,2967.19 5318.17,2967.19 5331.36,2954 v1(5382,2954) ; v1(5478,3460) 5532,3514 v1(5532,4026) ; v1(5504,4116) 5504,4200 5760,4456 5898,4456 5992,4550 6312,4550 6485,4723 6485,4748.36 6486.07,4749.43 6486.07,5014.07 6586,5114 6934,5114 6944,5124 7428,5124 v1(7640,5336) ; v1(7648,5786) 7648,6140.19 7714,6206.19 TP110C.1@7714,6226 7733.81,6245.81 7740.19,6245.81 v1(7742,6244)
DO_B_MCU_EN_N4: R35D.1 TP110D.1 U1.124 U8D.6 | length 7416.3
  Top Layer w10: U1.124@3484.57,3182.66 3484.57,3126.95 v1(3486.07,3125.44) ; v1(3635,3332) 3652,3349 3652,3848.21 3684,3880.21 v1(3684,3932) ; v1(5132.49,4390.02) 5278.02,4390.02 5392,4504 5392.21,4504 5396.21,4508 v1(5400,4508) ; v1(6374,5902) 6476,6004 7522,6004 7603.52,6085.52 7603.52,6712.48 7618.16,6727.11 ; R35D.1@7664.67,7006.55 7637.28,7006.55 v1(7618.16,6987.43) 7618.16,6727.11 ; U8D.6@7669.33,6712.97 7632.3,6712.97 7618.16,6727.11
  Int3 (Sign) w10: v1(3486.07,3125.44) 3635,3274.38 v1(3635,3332)
  Bottom Layer w10: v1(3684,3932) 3920,4168 4230.56,4168 4236.84,4161.72 4257.55,4161.72 4263.83,4168 4824,4168 5046.02,4390.02 v1(5132.49,4390.02) ; v1(5400,4508) 5468,4576 5468,4644 5530,4706 5530,5038 5700,5208 5700,5292 5658,5334 5658,5688 5728,5758 6230,5758 v1(6374,5902) ; TP110D.1@7560.16,6985.43 7616.16,6985.43 v1(7618.16,6987.43)
DO_B_MCU_EN_N5: R35E.1 TP110E.1 U1.126 U8E.6 | length 7470.6
  Top Layer w10: v1(3442,3308) 3442,3240.64 3445.2,3237.45 U1.126@3445.2,3182.66 ; v1(7480,6734) 7480,7048.24 7636.18,7204.43 ; R35E.1@7668.56,7498.01 7641.17,7498.01 v1(7622.05,7478.88) 7622.05,7218.56 7636.18,7204.43 ; U8E.6@7673.22,7204.43 7636.18,7204.43
  Int3 (Sign) w10: v1(3442,3308) 3442,3340.64 3480,3378.64 3480,3548 v1(3522,3590) ; v1(4404,5046) v1(4480,5046)
  Bottom Layer w10: v1(3522,3590) 3522,3724.89 3546,3748.89 3546,3974 3878,4306 3878,4466 3926,4514 3926,4801.14 3931.86,4807 3950.36,4807 4007,4863.64 4007,4864.14 4012.86,4870 4092,4870 4168,4946 4168,5016 4209,5057 4320.43,5057 4331.43,5046 v1(4404,5046) ; v1(4480,5046) 4550,5046 4778,5274 5243.64,5274 5294.64,5325 5311,5325 5594,5608 5594,5744 5686,5836 6172,5836 6267,5931 6765,5931 6768,5928 6964,5928 7211,6175 7245.36,6175 7280,6209.64 7280,6244.64 7295,6259.64 7295,6260.36 7329.64,6295 7331,6295 7488,6452 7488,6587.11 7480,6595.11 v1(7480,6734) ; TP110E.1@7564.05,7476.88 7583.86,7476.88 7585.86,7478.88 v1(7622.05,7478.88)
FLASH_PAD: R77.1 U39.9
FORCEONA: R100A.2 U38A.12 | length 105.7
  Top Layer w10: U38A.12@1145.29,6761.85 1145.29,6809.89 1185.34,6849.95 R100A.2@1185.34,6851
FORCEONB: R100B.2 U38B.12 | length 130.7
  Top Layer w10: R100B.2@764,5449.42 765.05,5449.42 787.61,5426.86 787.61,5408.7 821.53,5374.79 U38B.12@853.15,5374.79
G+A: D45A.2 R179A.2 | length 147.2
  Top Layer w10: D45A.2@2300,2912 2276.25,2912 2270.39,2917.86 2270.39,2930.93 2340.81,3001.35 R179A.2@2340.81,3003.85
G+B: D45B.2 R179B.2 | length 66.8
  Top Layer w10: D45B.2@5401.06,2192 5442.46,2192 5444.55,2189.91 R179B.2@5467.02,2189.91
G+C: D45C.2 R179C.2 | length 118.5
  Top Layer w20: R179C.2@8076,1740.23 8168.95,1740.23 8170.25,1741.53 D45C.2@8194,1741.53
G+D: D45D.2 R179D.2 | length 122.3
  Top Layer w20: R179D.2@7834,1738.23 7931.42,1738.23 7932.25,1739.06 D45D.2@7956,1739.06
G+E: D45E.2 R179E.2 | length 114
  Top Layer w20: R179E.2@7602,1738 D45E.2@7716,1738
G+F: D45F.2 R179F.2 | length 115.2
  Top Layer w20: R179F.2@7378,1734.23 7465.42,1734.23 7468.25,1737.06 D45F.2@7492,1737.06
G+G: D45G.2 R179G.2 | length 103.3
  Top Layer w15: R179G.2@9660,1772.46 9735.18,1772.46 9738.25,1775.53 D45G.2@9762,1775.53
G+H: D45H.2 R179H.2 | length 98.3
  Top Layer w15: R179H.2@9460,1774.23 9484.97,1774.23 9485.67,1773.53 D45H.2@9558,1773.53
G+I: D45I.2 R179I.2 | length 119
  Top Layer w15: R179I.2@9238,1770.23 9322.95,1770.23 9330.25,1777.53 D45I.2@9354,1777.53
G+J: D45J.2 R179J.2 | length 110.3
  Top Layer w15: R179J.2@9020,1772.23 9044.97,1772.23 9045.67,1771.53 D45J.2@9130,1771.53
G+K: D45K.2 R179K.2 | length 63
  Top Layer w10: D45K.2@1147.53,1430 1171.28,1430 1177.28,1424 R179K.2@1208,1424
G+L: D45L.2 R179L.2 | length 92.9
  Top Layer w10: D45L.2@1538,1128.94 1565.37,1101.57 1565.37,1078.35 1585.5,1058.23 R179L.2@1588,1058.23
G+M: D45M.2 R179M.2 | length 129.2
  Top Layer w10: D45M.2@1188,6054.47 1211.75,6054.47 1215.28,6058 R179M.2@1315.77,6058
G+N: D45N.2 R179N.2 | length 91
  Top Layer w10: D45N.2@1940.47,5694 1940.47,5757.55 1944,5761.07 R179N.2@1944,5783.54
G+O: D45O.2 R179O.2 | length 72.2
  Top Layer w10: D45O.2@791.53,5110 R179O.2@863.77,5110
G+P: D45P.2 R179P.2 | length 68.1
  Top Layer w10: R179P.2@1628,5078 1666.72,5078 1670.72,5082 D45P.2@1694.47,5082
Gate_driver_out: R48.1 U14.5